# KiCad board INS-1 Matrix Display.kicad_pcb (continued)
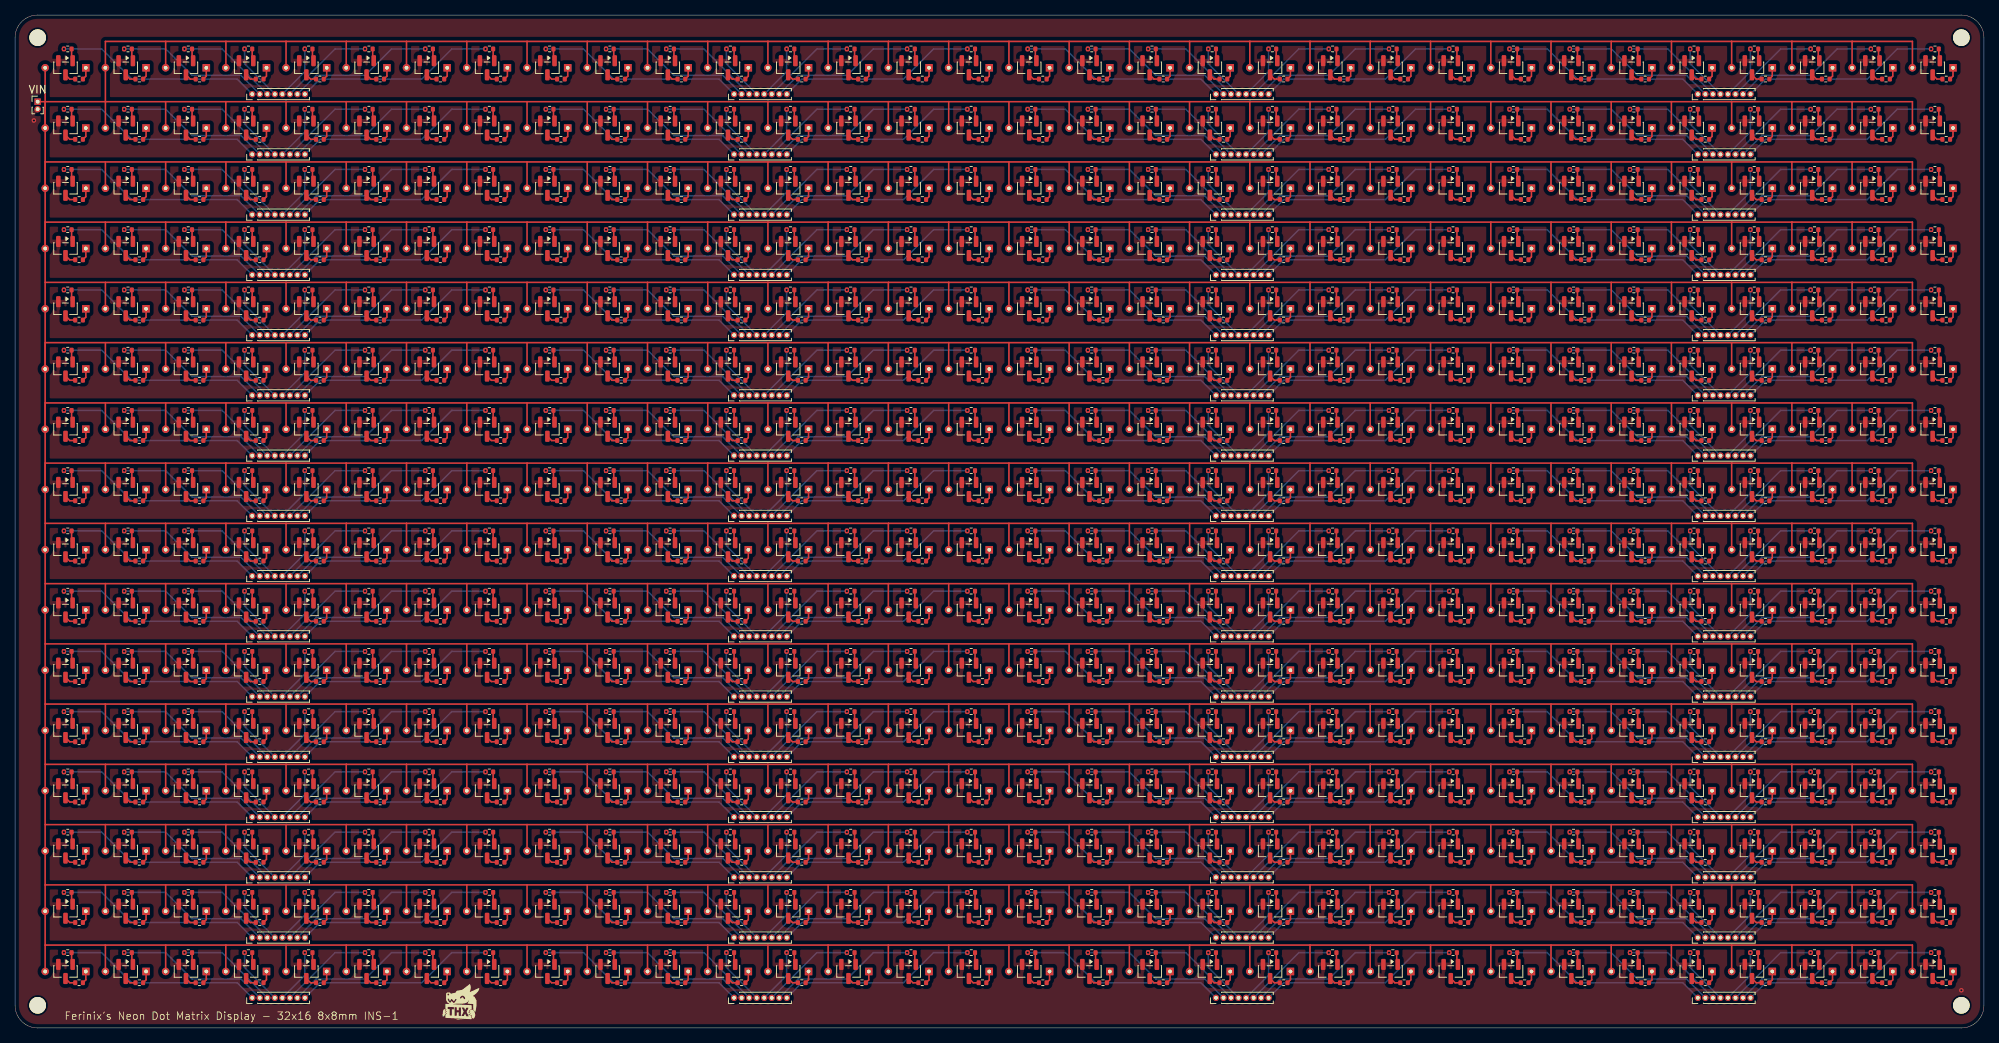
[diagram p0: board, top side]
## Routing (per net, layer and track width the routed paths; a pad name or vN(x,y) marks a point on that pad's centre or on a via; arc(x,y) is an arc through that point) (continued)
 MMBTA42#469.1 39.5,112.58 1K#118.2 ; 100,107 108,107 ; 100,107 99.99,106.99 REF**#21.1 ; 108,107 107.99,106.99 REF**#72.1 ; 1K#460.2 71.51,120.58 MMBTA42#440.1 ; MMBTA42#273.1 167.5,72.58 1K#456.2 ; REF**#60.2 113.39,94.39 50K#45.1 ; MMBTA42#408.1 55.5,128.58 1K#115.2 ; 1K#69.2 199.51,96.58 MMBTA42#345.1 ; 196,59 REF**#270.1 ; REF**#499.2 161.39,30.39 50K#444.1 ; 50K#47.1 209.4,38.39 REF**#327.2 ; REF**#189.2 209.4,14.39 50K#206.1 ; MMBTA42#203.1 207.51,32.58 1K#205.2 ; REF**#385.2 233.39,126.39 50K#405.1 ; 204,115 REF**#47.1 ; 204,115 196,115 ; 204,115 212,115 ; REF**#465.2 161.39,110.39 50K#277.1 ; 180,123 179.99,122.99 REF**#489.1 ; 180,123 188,123 ; 180,123 172,123 ; 50K#107.2 87.26,14 MMBTA42#414.3 ; 50K#500.1 153.4,70.39 REF**#121.2 ; MMBTA42#493.1 215.51,88.58 1K#420.2 ; MMBTA42#482.1 255.5,24.58 1K#34.2 ; REF**#116.2 153.4,22.39 50K#314.1 ; REF**#161.2 217.4,62.39 50K#496.1 ; MMBTA42#168.1 63.5,64.58 1K#78.2 ; MMBTA42#440.3 71.26,118 50K#179.2 ; REF**#422.1 35.99,114.99 36,115 ; 1K#163.2 247.5,48.58 MMBTA42#264.1 ; 1K#59.2 207.51,56.58 MMBTA42#216.1 ; 1K#255.2 151.51,88.58 MMBTA42#196.1 ; 50K#504.2 95.25,110 MMBTA42#384.3 ; MMBTA42#11.1 159.5,88.58 1K#153.2 ; 50K#225.1 17.4,102.39 REF**#372.2 ; 1K#271.2 135.51,40.58 MMBTA42#129.1 ; 100,99 108,99 ; 100,99 99.99,98.99 REF**#367.1 ; 100,99 92,99 ; 108,99 107.99,98.99 REF**#60.1 ; 108,99 116,99 ; 50K#356.1 257.39,30.39 REF**#482.2 ; 84,35 92,35 ; 84,35 76,35 ; 84,35 REF**#460.1 ; 92,35 92,31.51 REF**#438.1 ; 92,35 100,35 ; 124,67 132,67 ; 124,67 124,63.51 REF**#501.1 ; 124,67 116,67 ; 132,67 140,67 ; 132,67 REF**#93.1 ; MMBTA42#247.1 119.5,40.58 1K#376.2 ; REF**#388.2 97.39,6.39 50K#155.1 ; MMBTA42#13.1 207.51,104.58 1K#438.2 ; 164,51 163.99,50.99 REF**#308.1 ; 164,51 156,51 ; 44,99 43.99,98.99 REF**#176.1 ; 44,99 52,99 ; MMBTA42#196.3 151.26,86 50K#87.2 ; 188,131 188,127.51 REF**#39.1 ; 188,131 180,131 ; 50K#177.2 255.25,54 MMBTA42#217.3 ; 50K#140.2 255.25,86 MMBTA42#237.3 ; 228,123 227.99,122.99 REF**#147.1 ; REF**#313.1 43.99,130.99 44,131 ; REF**#459.1 92,15.51 92,19 ; 50K#159.2 23.26,102 MMBTA42#188.3 ; 50K#335.1 201.4,54.39 REF**#270.2 ; MMBTA42#510.1 31.5,112.58 1K#3.2 ; 100,51 108,51 ; 100,51 92,51 ; 108,51 107.99,50.99 REF**#196.1 ; 108,51 116,51 ; 20,59 28,59 ; 20,59 12,59 ; 20,59 REF**#264.1 ; 28,59 27.99,58.99 REF**#466.1 ; 1K#14.2 63.5,56.58 MMBTA42#179.1 ; 50K#429.2 79.26,14 MMBTA42#276.3 ; REF**#27.1 76,43 ; 76,43 68,43 ; 76,43 84,43 ; 244,99 243.99,98.99 REF**#185.1 ; 244,99 252,99 252,95.51 REF**#12.1 ; 220,67 220,63.51 REF**#228.1 ; 220,67 228,67 ; 220,67 212,67 ; MMBTA42#193.3 31.25,6 50K#337.2 ; REF**#425.2 81.4,30.39 50K#138.1 ; MMBTA42#246.1 215.51,8.58 1K#81.2 ; MMBTA42#412.1 111.5,64.58 1K#236.2 ; MMBTA42#126.3 15.26,6 50K#312.2 ; MMBTA42#266.3 127.25,22 50K#478.2 ; REF**#119.1 171.99,82.99 172,83 ; REF**#167.1 51.99,74.99 52,75 ; 50K#193.1 209.4,94.39 REF**#345.2 ; 236,67 244,67 ; 236,67 228,67 ; 236,67 235.99,66.99 REF**#258.1 ; 244,67 243.99,66.99 REF**#247.1 ; 244,67 252,67 252,63.51 REF**#458.1 ; MMBTA42#15.1 55.5,88.58 1K#339.2 ; MMBTA42#257.3 31.25,54 50K#479.2 ; MMBTA42#386.3 31.25,126 50K#59.2 ; 1K#80.2 23.51,112.58 MMBTA42#182.1 ; 50K#488.2 63.25,22 MMBTA42#44.3 ; REF**#458.2 257.39,62.39 50K#12.1 ; MMBTA42#458.1 183.5,96.58 1K#212.2 ; 50K#451.1 17.4,110.39 REF**#100.2 ; REF**#494.1 252,39.51 252,43 244,43 ; 228,131 236,131 ; 228,131 227.99,130.99 REF**#385.1 ; 228,131 220,131 ; 236,131 235.99,130.99 REF**#331.1 ; 236,131 244,131 ; 50K#201.2 167.25,22 MMBTA42#374.3 ; 50K#508.1 25.4,94.39 REF**#169.2 ; 50K#356.2 255.25,30 MMBTA42#74.3 ; MMBTA42#411.1 159.5,8.58 1K#221.2 ; 1K#213.2 71.51,24.58 MMBTA42#108.1 ; REF**#38.1 84,99 ; 84,99 76,99 ; 84,99 92,99 ; REF**#68.1 171.99,42.99 172,43 ; 188,99 196,99 ; 188,99 180,99 ; 188,99 188,95.51 REF**#16.1 ; 196,99 REF**#235.1 ; 196,99 204,99 ; 68,43 REF**#141.1 ; 68,43 60,43 ; REF**#291.1 220,95.51 220,99 ; 116,11 124,11 ; 116,11 108,11 ; 116,11 115.99,10.99 REF**#456.1 ; 124,11 132,11 ; 124,11 124,7.51 REF**#467.1 ; REF**#107.2 185.39,14.39 50K#245.1 ; 50K#236.1 185.39,54.39 REF**#323.2 ; 108,123 107.99,122.99 REF**#415.1 ; 108,123 100,123 ; 76,115 84,115 ; 76,115 REF**#117.1 ; 76,115 68,115 ; 84,115 REF**#491.1 ; 84,115 92,115 ; 148,51 156,51 ; 148,51 REF**#243.1 ; 156,51 156,47.51 REF**#265.1 ; 196,11 REF**#140.1 ; 196,11 188,11 ; 50K#423.1 201.4,94.39 REF**#235.2 ; REF**#44.2 137.4,6.39 50K#318.1 ; 50K#297.2 47.25,70 MMBTA42#130.3 ; REF**#379.2 81.4,70.39 50K#334.1 ; 50K#16.1 57.39,126.39 REF**#283.2 ; MMBTA42#346.1 175.5,96.58 1K#116.2 ; 1K#22.2 87.51,96.58 MMBTA42#476.1 ; REF**#85.1 227.99,98.99 228,99 ; 50K#412.2 167.25,86 MMBTA42#223.3 ; 1K#166.2 79.51,88.58 MMBTA42#26.1 ; 1K#321.2 159.5,48.58 MMBTA42#433.1 ; MMBTA42#400.1 71.51,8.58 1K#441.2 ; 164,107 172,107 ; 164,107 163.99,106.99 REF**#416.1 ; 164,107 156,107 ; 172,107 171.99,106.99 REF**#212.1 ; 172,107 180,107 ; MMBTA42#460.1 79.51,24.58 1K#37.2 ; MMBTA42#438.3 175.25,46 50K#149.2 ; 50K#398.2 47.25,126 MMBTA42#166.3 ; MMBTA42#505.3 207.26,14 50K#206.2 ; 132,123 140,123 ; 132,123 REF**#399.1 ; 140,123 REF**#249.1 ; 140,123 148,123 ; 44,51 43.99,50.99 REF**#391.1 ; 44,51 52,51 ; 44,51 36,51 ; 50K#106.1 137.4,86.39 REF**#41.2 ; 1K#333.2 199.51,48.58 MMBTA42#291.1 ; REF**#406.2 177.39,54.39 50K#380.1 ; 180,99 179.99,98.99 REF**#2.1 ; 180,99 172,99 ; MMBTA42#129.3 135.26,38 50K#463.2 ; 50K#413.1 89.4,126.39 REF**#201.2 ; REF**#160.2 249.39,6.39 50K#145.1 ; 50K#42.2 71.26,94 MMBTA42#242.3 ; 50K#19.2 55.25,22 MMBTA42#120.3 ; 4,43 12,43 ; MMBTA42#132.3 183.25,118 50K#197.2 ; MMBTA42#200.3 63.25,126 50K#7.2 ; 28,131 28,127.51 REF**#277.1 ; 28,131 20,131 ; 28,131 36,131 ; MMBTA42#318.1 143.51,80.58 1K#47.2 ; REF**#199.1 219.99,74.99 220,75 ; MMBTA42#128.1 223.5,120.58 1K#510.2 ; REF**#332.2 169.39,86.39 50K#412.1 ; 50K#28.1 241.39,6.39 REF**#204.2 ; 50K#64.1 153.4,46.39 REF**#243.2 ; MMBTA42#466.3 143.26,102 50K#454.2 ; 50K#38.2 143.26,22 MMBTA42#136.3 ; 148,67 156,67 ; 148,67 REF**#348.1 ; 148,67 140,67 ; 156,67 156,63.51 REF**#67.1 ; 156,67 164,67 ; 50K#465.1 169.39,102.39 REF**#416.2 ; MMBTA42#141.3 111.25,118 50K#242.2 ; 1K#63.2 47.5,128.58 MMBTA42#166.1 ; 1K#508.2 127.5,32.58 MMBTA42#82.1 ; 60,27 60,23.51 REF**#129.1 ; 60,27 52,27 ; 60,27 68,27 ; 50K#359.2 63.25,46 MMBTA42#165.3 ; 50K#508.2 23.26,94 MMBTA42#506.3 ; MMBTA42#334.1 111.5,112.58 1K#378.2 ; 50K#146.2 87.26,78 MMBTA42#431.3 ; 50K#419.1 217.4,38.39 REF**#369.2 ; REF**#260.1 227.99,42.99 228,43 ; MMBTA42#58.3 167.25,126 50K#188.2 ; 50K#25.2 223.25,38 MMBTA42#83.3 ; MMBTA42#512.3 247.25,22 50K#99.2 ; 50K#443.1 177.39,102.39 REF**#212.2 ; MMBTA42#94.1 127.5,96.58 1K#145.2 ; REF**#300.1 243.99,90.99 244,91 ; MMBTA42#341.1 47.5,120.58 1K#198.2 ; REF**#271.2 201.4,118.39 50K#452.1 ; REF**#325.2 177.39,6.39 50K#268.1 ; REF**#295.2 201.4,102.39 50K#190.1 ; MMBTA42#27.3 47.25,46 50K#455.2 ; 50K#512.2 31.25,102 MMBTA42#197.3 ; 50K#22.2 39.25,38 MMBTA42#219.3 ; REF**#513.2 89.4,102.39 50K#29.1 ; MMBTA42#192.3 247.25,110 50K#473.2 ; REF**#378.2 105.39,118.39 50K#364.1 ; 156,59 148,59 ; 156,59 164,59 ; REF**#310.1 132,59 ; 132,59 140,59 ; 132,59 124,59 ; REF**#181.1 132,75 ; 132,75 140,75 ; 132,75 124,75 ; 1K#184.2 215.51,32.58 MMBTA42#16.1 ; 140,59 148,59 ; 140,59 REF**#280.1 ; 148,59 REF**#419.1 ; REF**#304.2 41.39,6.39 50K#238.1 ; 50K#433.2 239.25,22 MMBTA42#439.3 ; 50K#396.2 215.26,46 MMBTA42#98.3 ; 84,27 92,27 ; 84,27 REF**#103.1 ; 92,27 91.99,26.99 REF**#439.1 ; 92,27 100,27 ; MMBTA42#284.1 255.5,112.58 1K#372.2 ; 1K#133.2 103.5,88.58 MMBTA42#358.1 ; 196,75 204,75 ; 196,75 REF**#99.1 ; 50K#372.1 129.39,126.39 REF**#80.2 ; 50K#78.2 247.25,54 MMBTA42#451.3 ; MMBTA42#114.1 55.5,48.58 1K#449.2 ; MMBTA42#98.1 215.51,48.58 1K#368.2 ; MMBTA42#469.3 39.25,110 50K#466.2 ; 50K#506.2 199.26,62 MMBTA42#159.3 ; 50K#265.1 201.4,30.39 REF**#394.2 ; 68,75 76,75 ; 68,75 REF**#188.1 ; 68,75 60,75 ; 76,75 REF**#379.1 ; 108,131 107.99,130.99 REF**#75.1 ; 108,131 116,131 ; 108,131 100,131 ; 4,27 REF**#374.1 4,19 ; REF**#436.2 169.39,78.39 50K#404.1 ; 50K#309.2 143.26,14 MMBTA42#402.3 ; 1K#48.2 143.51,72.58 MMBTA42#55.1 ; 50K#442.1 129.39,102.39 REF**#9.2 ; 50K#462.1 57.39,86.39 REF**#396.2 ; 100,67 92,67 ; 100,67 99.99,66.99 REF**#512.1 ; 50K#369.2 47.25,110 MMBTA42#140.3 ; MMBTA42#9.3 127.25,14 50K#408.2 ; MMBTA42#174.1 15.51,120.58 1K#453.2 ; 1K#388.2 135.51,120.58 MMBTA42#77.1 ; REF**#116.1 148,27 ; 148,27 140,27 ; 148,27 156,27 ; 50K#402.2 135.26,126 MMBTA42#10.3 ; 50K#462.2 55.25,86 MMBTA42#15.3 ; MMBTA42#442.1 127.5,80.58 1K#386.2 ; 236,27 244,27 ; 236,27 228,27 ; 236,27 235.99,26.99 REF**#276.1 ; 244,27 243.99,26.99 REF**#423.1 ; REF**#84.1 179.99,90.99 180,91 ; 50K#278.1 105.39,102.39 REF**#21.2 ; 1K#351.2 207.51,112.58 MMBTA42#368.1 ; 204,67 REF**#197.1 ; 204,67 212,67 ; 204,67 196,67 ; 212,27 220,27 ; 212,27 REF**#411.1 ; 220,27 219.99,26.99 REF**#109.1 ; 220,27 228,27 ; 50K#212.1 241.39,118.39 REF**#448.2 ; MMBTA42#164.1 119.5,32.58 1K#479.2 ; REF**#381.1 171.99,34.99 172,35 ; MMBTA42#158.1 191.5,8.58 1K#140.2 ; REF**#387.1 12,43 ; 12,43 20,43 ; REF**#74.2 257.39,110.39 50K#353.1 ; MMBTA42#286.1 15.51,16.58 1K#317.2 ; 92,19 84,19 ; 92,19 100,19 ; MMBTA42#78.1 119.5,72.58 1K#6.2 ; 1K#301.2 79.51,40.58 MMBTA42#178.1 ; 1K#117.2 111.5,16.58 MMBTA42#95.1 ; REF**#221.2 137.4,38.39 50K#463.1 ; 236,75 244,75 ; 236,75 235.99,74.99 REF**#31.1 ; 236,75 228,75 ; 244,75 243.99,74.99 REF**#432.1 ; 244,75 252,75 252,71.51 REF**#246.1 ; 1K#391.2 47.5,32.58 MMBTA42#388.1 ; MMBTA42#455.3 15.26,86 50K#357.2 ; 12,123 20,123 ; 12,123 REF**#56.1 12,131 20,131 ; 12,123 REF**#431.1 ; 20,123 REF**#350.1 ; 20,123 28,123 ; 50K#343.2 191.25,22 MMBTA42#370.3 ; REF**#299.2 145.4,14.39 50K#309.1 ; 84,83 REF**#403.1 ; REF**#211.1 188,47.51 188,51 ; REF**#375.1 92,111.51 92,115 ; 50K#459.2 127.25,86 MMBTA42#315.3 ; 164,123 172,123 ; 164,123 156,123 ; 164,123 163.99,122.99 REF**#232.1 ; 172,123 171.99,122.99 REF**#163.1 ; 84,59 92,59 ; 84,59 REF**#92.1 ; 50K#498.2 23.26,38 MMBTA42#303.3 ; REF**#282.2 161.39,78.39 50K#232.1 ; MMBTA42#459.1 175.5,32.58 1K#207.2 ; MMBTA42#137.3 103.25,14 50K#36.2 ; 52,27 44,27 ; 52,27 51.99,26.99 REF**#78.1 ; REF**#289.1 252,15.51 252,19 244,19 ; MMBTA42#16.3 215.26,30 50K#213.2 ; 50K#122.1 129.39,62.39 REF**#501.2 ; 50K#471.2 159.25,126 MMBTA42#410.3 ; 1K#298.2 255.5,72.58 MMBTA42#428.1 ; MMBTA42#365.3 159.25,102 50K#32.2 ; REF**#500.1 171.99,26.99 172,27 ; REF**#178.1 92,63.51 92,67 ; REF**#515.1 220,47.51 220,51 ; MMBTA42#131.3 103.25,38 50K#493.2 ; 1K#56.2 223.5,88.58 MMBTA42#240.1 ; 1K#181.2 191.5,88.58 MMBTA42#64.1 ; 50K#207.1 233.39,110.39 REF**#483.2 ; REF**#133.2 57.39,78.39 50K#68.1 ; 188,91 196,91 ; 188,91 180,91 ; 188,91 188,87.51 REF**#184.1 ; 196,91 204,91 ; 196,91 REF**#222.1 ; 50K#266.2 39.25,70 MMBTA42#389.3 ; REF**#486.2 9.4,30.39 50K#326.1 ; REF**#144.1 155.99,106.99 156,107 ; REF**#495.1 43.99,114.99 44,115 ; 50K#320.2 7.26,14 MMBTA42#355.3 ; REF**#15.2 65.39,6.39 50K#76.1 ; 204,35 REF**#57.1 ; 204,35 212,35 ; 204,35 196,35 ; 188,107 188,103.51 REF**#477.1 ; 188,107 180,107 ; 50K#344.2 47.25,14 MMBTA42#235.3 ; MMBTA42#65.1 175.5,56.58 1K#254.2 ; MMBTA42#161.1 255.5,120.58 1K#322.2 ; 50K#229.2 23.26,126 MMBTA42#392.3 ; 50K#479.1 33.39,54.39 REF**#466.2 ; 50K#507.2 231.25,102 MMBTA42#340.3 ; MMBTA42#478.1 191.5,112.58 1K#109.2 ; MMBTA42#348.1 31.5,24.58 1K#371.2 ; 50K#476.1 217.4,102.39 REF**#180.2 ; MMBTA42#481.1 31.5,72.58 1K#149.2 ; 50K#439.1 225.39,118.39 REF**#213.2 ; MMBTA42#5.1 55.5,8.58 1K#303.2 ; 50K#159.1 25.4,102.39 REF**#329.2 ; 50K#455.1 49.39,46.39 REF**#391.2 ; 36,35 28,35 ; 36,35 35.99,34.99 REF**#6.1 ; REF**#220.1 171.99,74.99 172,75 ; 52,91 60,91 ; 52,91 51.99,90.99 REF**#396.1 ; 52,91 44,91 ; 60,91 68,91 ; 50K#320.1 9.4,14.39 REF**#10.2 ; 50K#361.2 239.25,126 MMBTA42#307.3 ; 50K#91.2 55.25,102 MMBTA42#135.3 ; 50K#137.2 167.25,110 MMBTA42#123.3 ; MMBTA42#461.3 143.26,54 50K#475.2 ; MMBTA42#29.3 135.26,70 50K#4.2 ; 228,11 227.99,10.99 REF**#58.1 ; 228,11 220,11 ; 228,11 236,11 ; 132,43 140,43 ; 132,43 124,43 ; 132,43 REF**#221.1 ; 140,43 148,43 ; 140,43 REF**#177.1 ; 50K#86.2 191.25,110 MMBTA42#478.3 ; 1K#328.2 103.5,24.58 MMBTA42#294.1 ; 50K#363.2 15.26,94 MMBTA42#274.3 ; MMBTA42#264.3 247.25,46 50K#345.2 ; MMBTA42#441.1 87.51,56.58 1K#223.2 ; MMBTA42#7.1 199.51,112.58 1K#107.2 ; 50K#468.2 55.25,94 MMBTA42#305.3 ; REF**#35.2 193.39,22.39 50K#343.1 ; MMBTA42#258.1 175.5,72.58 1K#305.2 ; 172,11 171.99,10.99 REF**#325.1 ; 172,11 180,11 ; REF**#493.2 49.39,38.39 50K#17.1 ; 50K#315.2 7.26,126 MMBTA42#79.3 ; 108,35 116,35 ; 108,35 100,35 ; 50K#410.2 183.25,22 MMBTA42#106.3 ; 1K#355.2 15.51,32.58 MMBTA42#395.1 ; MMBTA42#143.1 231.5,128.58 1K#316.2 ; 44,131 52,131 ; 44,131 36,131 ; MMBTA42#204.3 207.26,38 50K#47.2 ; REF**#296.2 121.39,94.39 50K#424.1 ; 50K#338.1 33.39,30.39 REF**#338.2 ; 92,115 100,115 ; 100,115 99.99,114.99 REF**#42.1 ; 108,43 116,43 ; 108,43 100,43 ; 108,43 107.99,42.99 REF**#344.1 ; 116,43 124,43 ; 50K#352.1 33.39,86.39 REF**#455.2 ; 50K#274.2 103.25,126 MMBTA42#299.3 ; 50K#374.2 31.25,78 MMBTA42#100.3 ; 1K#417.2 95.5,48.58 MMBTA42#390.1 ; MMBTA42#304.1 119.5,96.58 1K#90.2 ; MMBTA42#489.1 135.51,48.58 1K#134.2 ; REF**#403.2 89.4,78.39 50K#146.1 ; 50K#367.2 111.25,62 MMBTA42#412.3 ; REF**#68.2 177.39,38.39 50K#497.1 ; REF**#65.1 148,107 ; 148,107 156,107 ; 148,107 140,107 ; MMBTA42#420.3 63.25,110 50K#331.2 ; REF**#145.2 145.4,46.39 50K#436.1 ; 60,131 52,131 ; 60,131 60,127.51 REF**#194.1 ; 1K.2 79.51,16.58 MMBTA42#276.1 ; MMBTA42#6.3 167.25,54 50K#81.2 ; 50K#395.1 201.4,6.39 REF**#140.2 ; 36,43 44,43 ; MMBTA42#161.3 255.25,118 50K#83.2 ; MMBTA42#183.3 79.26,6 50K#490.2 ; 140,91 132,91 ; 140,91 REF**#281.1 ; 52,75 60,75 ; 52,75 44,75 ; 60,75 60,71.51 REF**#229.1 ; 50K#443.2 175.25,102 MMBTA42#323.3 ; 50K#252.1 65.39,102.39 REF**#79.2 ; REF**#280.2 145.4,54.39 50K#475.1 ; 50K#211.1 25.4,86.39 REF**#382.2 ; 1K#281.2 79.51,80.58 MMBTA42#401.1 ; 76,123 84,123 ; 76,123 REF**#504.1 ; 84,123 REF**#440.1 ; 84,123 92,123 ; 92,123 91.99,122.99 REF**#11.1 ; 92,123 100,123 ; REF**#181.2 137.4,70.39 50K#4.1 ; 50K#129.1 257.39,38.39 REF**#494.2 ; 1K#52.2 79.51,112.58 MMBTA42#76.1 ; 50K#49.1 209.4,102.39 REF**#318.2 ; 204,19 196,19 ; 204,19 REF**#189.1 ; 1K#201.2 247.5,64.58 MMBTA42#205.1 ; MMBTA42#192.1 247.5,112.58 1K#209.2 ; MMBTA42#118.1 199.51,24.58 1K#374.2 ; MMBTA42#450.1 231.5,40.58 1K#424.2 ; MMBTA42#175.3 167.25,62 50K#227.2 ; MMBTA42#292.1 23.51,64.58 1K#174.2 ; 156,19 156,15.51 REF**#89.1 ; 156,19 164,19 ; 156,19 148,19 ; 50K#221.1 161.39,6.39 REF**#261.2 ; 140,27 REF**.1 ; 50K#485.2 103.25,30 MMBTA42#325.3 ; REF**#65.2 153.4,102.39 50K#370.1 ; MMBTA42#493.3 215.26,86 50K#294.2 ; 1K#272.2 151.51,48.58 MMBTA42#269.1 ; 132,19 REF**#242.1 ; 132,19 124,19 ; 100,27 108,27 ; 100,27 99.99,26.99 REF**#377.1 ; 108,27 107.99,26.99 REF**#326.1 ; 108,27 116,27 ; 28,11 36,11 ; 28,11 27.99,10.99 REF**#122.1 ; 28,11 20,11 ; 36,11 35.99,10.99 REF**#304.1 ; 220,131 220,127.51 REF**#175.1 ; 220,131 212,131 ; 124,99 124,95.51 REF**#240.1 ; 124,99 132,99 ; 124,99 116,99 ; 28,123 27.99,122.99 REF**#449.1 ; 1K#60.2 223.5,96.58 MMBTA42#149.1 ; MMBTA42#300.1 55.5,112.58 1K#218.2 ; 1K#407.2 135.51,112.58 MMBTA42#230.1 ; 188,35 196,35 ; 188,35 180,35 ; 188,35 188,31.51 REF**#66.1 ; 196,35 REF**#394.1 ; REF**#292.1 235.99,42.99 236,43 ; 1K#125.2 127.5,24.58 MMBTA42#266.1 ; 50K#472.2 79.26,38 MMBTA42#178.3 ; MMBTA42#319.1 175.5,88.58 1K#4.2 ; MMBTA42#331.3 143.26,86 50K#306.2 ; 28,115 28,111.51 REF**#371.1 ; 28,115 20,115 ; 28,115 36,115 ; 1K#387.2 79.51,128.58 MMBTA42#226.1 ; 204,75 REF**#322.1 ; 204,75 212,75 ; REF**#86.2 89.4,38.39 50K#172.1 ; 50K#456.2 55.25,70 MMBTA42#267.3 ; REF**#233.2 161.39,54.39 50K#27.1 ; 50K#436.2 143.26,46 MMBTA42#86.3 ; 212,91 220,91 ; 212,91 204,91 ; 212,91 REF**#224.1 ; 220,91 219.99,90.99 REF**#114.1 ; 50K#421.2 55.25,54 MMBTA42#507.3 ; MMBTA42#25.3 23.26,14 50K#119.2 ; REF**#275.2 65.39,38.39 50K#273.1 ; 50K#307.2 167.25,38 MMBTA42#233.3 ; 50K#391.2 199.26,86 MMBTA42#56.3 ; MMBTA42#125.1 239.5,120.58 1K#111.2 ; REF**#290.2 49.39,14.39 50K#344.1 ; REF**#468.1 219.99,42.99 220,43 ; 50K#494.2 55.25,14 MMBTA42#213.3 ; MMBTA42#321.1 39.5,80.58 1K#29.2 ; REF**#467.2 129.39,6.39 50K#406.1 ; 1K#493.2 31.5,8.58 MMBTA42#193.1 ; 68,91 REF**#360.1 ; 68,91 76,91 ; 50K#56.1 153.4,118.39 REF**#202.2 ; 236,11 235.99,10.99 REF**#204.1 ; 236,11 244,11 ; 50K#58.1 185.39,86.39 REF**#84.2 ; REF**#415.2 113.39,118.39 50K#242.1 ; MMBTA42#338.1 255.5,8.58 1K#444.2 ; REF**#159.1 235.99,114.99 236,115 ; MMBTA42#284.3 255.25,110 50K#353.2 ; MMBTA42#170.1 231.5,56.58 1K#119.2 ; 50K#490.1 81.4,6.39 REF**#69.2 ; REF**#230.2 257.39,86.39 50K#140.1 ; REF**#305.2 113.39,6.39 50K#332.1 ; 1K#228.2 15.51,96.58 MMBTA42#274.1 ; MMBTA42#365.1 159.5,104.58 1K#426.2 ; 50K#449.1 137.4,30.39 REF**#250.2 ; MMBTA42#432.3 135.26,30 50K#449.2 ; MMBTA42#108.3 71.26,22 50K#144.2 ; 164,35 172,35 ; 164,35 163.99,34.99 REF**#481.1 ; 172,35 180,35 ; 50K#422.2 135.26,102 MMBTA42#69.3 ; REF**#312.1 12,91 ; 12,91 4,91 REF**#61.1 ; 12,91 20,91 ; 164,115 172,115 ; 164,115 163.99,114.99 REF**#55.1 ; 164,115 156,115 ; 172,115 180,115 ; 1K#27.2 223.5,104.58 MMBTA42#447.1 ; MMBTA42#5.3 55.25,6 50K#61.2 ; 50K#393.1 81.4,118.39 REF**#504.2 ; MMBTA42#252.3 223.25,70 50K#304.2 ; REF**#483.1 227.99,114.99 228,115 ; 52,115 51.99,114.99 REF**#218.1 ; 52,115 44,115 ; 52,115 60,115 ; MMBTA42#90.3 63.25,118 50K#180.2 ; 140,11 REF**#354.1 ; 140,11 132,11 ; 50K#259.1 201.4,14.39 REF**#507.2 ; 50K#74.1 169.39,6.39 REF**#342.2 ; REF**#405.2 177.39,94.39 50K#477.1 ; 50K#364.2 103.25,118 MMBTA42#263.3 ; MMBTA42#470.1 167.5,8.58 1K#282.2 ; REF**#190.2 217.4,78.39 50K#325.1 ; 92,51 92,47.51 REF**#25.1 ; 1K#469.2 103.5,32.58 MMBTA42#325.1 ; 156,11 155.99,10.99 REF**#261.1 ; 188,123 188,119.51 REF**#23.1 ; REF**#252.2 129.39,110.39 50K#223.1 ; 36,19 44,19 ; 36,19 28,19 ; 1K#226.2 255.5,48.58 MMBTA42#127.1 ; 50K#132.2 111.25,30 MMBTA42#491.3 ; 60,19 68,19 ; 60,19 52,19 ; 68,19 76,19 ; 68,19 REF**#226.1 ; MMBTA42#421.1 127.5,112.58 1K#235.2 ; MMBTA42#486.1 7.51,72.58 1K#202.2 ; MMBTA42#288.1 231.5,64.58 1K#383.2 ; 50K#102.1 41.39,22.39 REF**#487.2 ; REF**#151.1 99.99,74.99 100,75 ; 92,59 100,59 ; 92,59 91.99,58.99 REF**#120.1 ; 100,59 99.99,58.99 REF**#426.1 ; 20,131 REF**#315.1 ; MMBTA42#64.3 191.25,86 50K#311.2 ; 1K#17.2 15.51,48.58 MMBTA42#342.1 ; MMBTA42#357.1 191.5,128.58 1K#341.2 ; 50K#59.1 33.39,126.39 REF**#277.2 ; REF**#46.2 65.39,78.39 50K#321.1 ; 50K#13.2 39.25,118 MMBTA42#20.3 ; MMBTA42#296.1 63.5,96.58 1K#91.2 ; REF**#33.2 249.39,78.39 50K#94.1 ; 1K#135.2 79.51,120.58 MMBTA42#484.1 ; REF**#266.2 113.39,30.39 50K#132.1 ; 1K#64.2 119.5,88.58 MMBTA42#419.1 ; MMBTA42#164.3 119.25,30 50K#128.2 ; REF**#150.1 235.99,82.99 236,83 ; 116,35 115.99,34.99 REF**#463.1 ; REF**#30.2 217.4,118.39 50K#505.1 ; 1K#397.2 111.5,48.58 MMBTA42#302.1 ; REF**#160.1 243.99,10.99 244,11 ; MMBTA42#253.1 183.5,56.58 1K#490.2 ; 1K#66.2 31.5,128.58 MMBTA42#386.1 ; 68,83 REF**#311.1 ; 68,83 60,83 ; 50K#484.2 71.26,70 MMBTA42#377.3 ; 164,27 172,27 ; 164,27 156,27 ; REF**#7.2 257.39,102.39 50K#121.1 ; REF**#414.1 148,19 ; 172,43 180,43 ; 172,43 164,43 ; 180,43 179.99,42.99 REF**#32.1 ; 180,43 188,43 ; REF**#356.2 49.39,62.39 50K#330.1 ; REF**#170.2 193.39,78.39 50K#191.1 ; 1K#312.2 223.5,24.58 MMBTA42#176.1 ; 50K#152.1 113.39,46.39 REF**#196.2 ; 50K#216.1 113.39,110.39 REF**#139.2 ; REF**#159.2 241.39,110.39 50K#75.1 ; MMBTA42#474.1 119.5,128.58 1K#437.2 ; REF**#298.1 28,79.51 28,83 ; 1K#147.2 231.5,16.58 MMBTA42#133.1 ; 12,83 REF**#267.1 ; 12,83 20,83 ; 12,83 4,83 REF**#413.1 ; 20,19 28,19 ; 20,19 REF**#134.1 ; 28,19 28,15.51 REF**#288.1 ; MMBTA42#385.1 95.5,24.58 1K#357.2 ; REF**#38.2 89.4,94.39 50K#341.1 ; REF**#352.2 145.4,102.39 50K#454.1 ; 1K#338.2 103.5,80.58 MMBTA42#208.1 ; 1K#308.2 183.5,88.58 MMBTA42#352.1 ; MMBTA42#330.1 15.51,56.58 1K#434.2 ; 1K#389.2 167.5,40.58 MMBTA42#233.1 ; 76,35 REF**#425.1 ; 50K#84.1 81.4,102.39 REF**#476.2 ; 1K#309.2 15.51,8.58 MMBTA42#126.1 ; 1K#182.2 255.5,32.58 MMBTA42#74.1 ; REF**#157.1 68,51 ; 164,43 